# Altium PCB cover3.PcbDoc
Units mil, origin at the board's own origin, x right, y up, seen from the top; angles counter-clockwise.
Board outline 7500 x 2300 mil, 2 copper layers (Top Layer, Bottom Layer); 34 components, 23 nets, 169 pads, 36 vias.
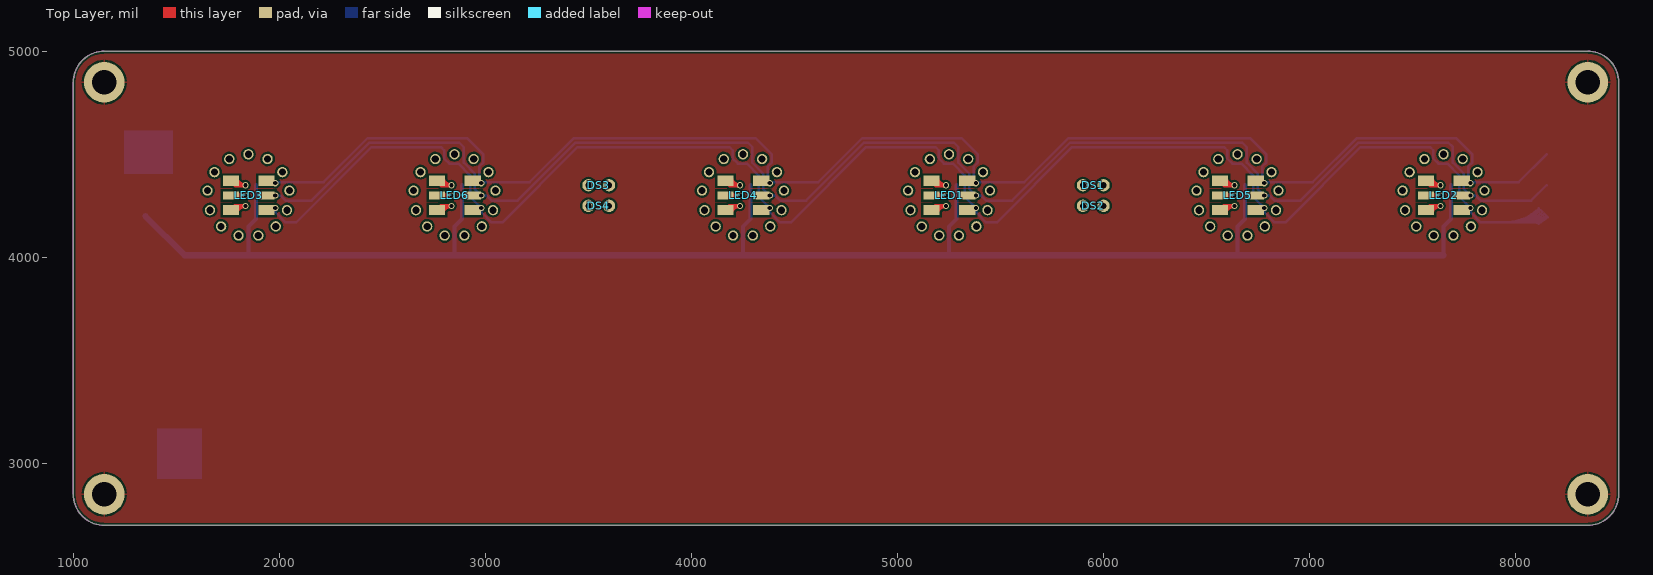
[diagram p0: Top Layer view]
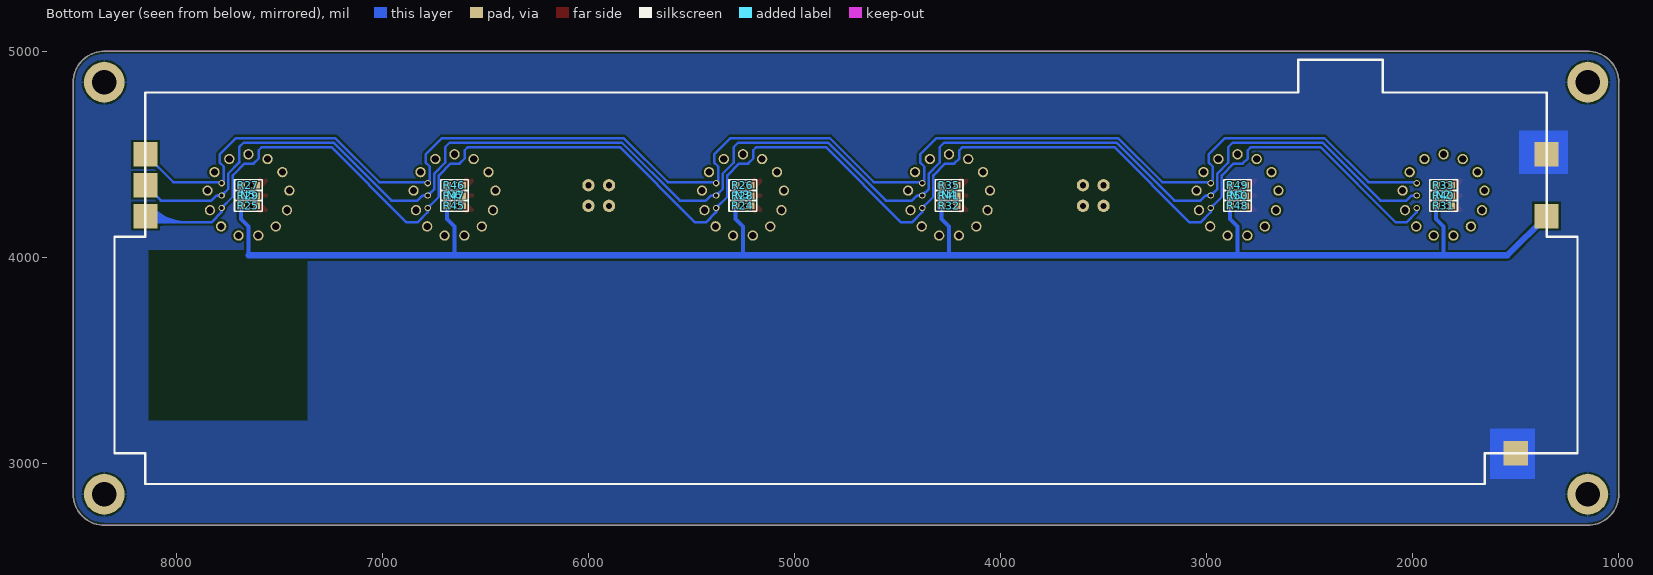
[diagram p1: Bottom Layer view, seen from below]

## Layer stack, top to bottom
Top Solder: solder mask 0.4, Solder Resist, Dk 3.5
Top Layer: signal copper 1.4
Dielectric 1: dielectric 12.6, FR-4, Dk 4.8
Bottom Layer: signal copper 1.4
Bottom Solder: solder mask 0.4, Solder Resist, Dk 3.5

## Board outline
1150,2700 cw(c1150,2850) 1000,2850 1000,4850 cw(c1150,4850) 1150,5000 8350,5000 cw(c8350,4850) 8500,4850 8500,2850 cw(c8350,2850) 8350,2700

## Design rules (kind name [scope] priority, off if disabled: settings)
Clearance [All] p1: gap=10
PolygonConnect [All] p1: connectstyle=Relief reliefconductorwidth=10 reliefentries=4 polygonreliefangle="90 Angle" airgapwidth=10
RoutingVias [All] p1: holewidth=28 width=50 viastyle="Through Hole" minholewidth=28 minwidth=50 maxholewidth=28 maxwidth=50
SolderMaskExpansion [All] p1: expansion=4
Width [All] p1: maxlimit=10 minlimit=10 preferedwidth=10
29 further rules are at their usual default settings.

## Components (designator, comment, footprint, x,y, rotation, side; value= is the part's Value field where it differs from the comment)
DS1 "Lamp Neon" LED_PIN2 5900,4350 r0 top
DS2 "Lamp Neon" LED_PIN2 5900,4250 r0 top
DS3 "Lamp Neon" LED_PIN2 3600,4350 r180 top
DS4 "Lamp Neon" LED_PIN2 3600,4250 r180 top
LED1 "LED_RGB_5050" LED_RGB_5050 5165,4230 r90 top
LED2 "LED_RGB_5050" LED_RGB_5050 7565,4230 r90 top
LED3 "LED_RGB_5050" LED_RGB_5050 1765,4230 r90 top
LED4 "LED_RGB_5050" LED_RGB_5050 4165,4230 r90 top
LED5 "LED_RGB_5050" LED_RGB_5050 6565,4230 r90 top
LED6 "LED_RGB_5050" LED_RGB_5050 2765,4230 r90 top
N1 "ИН-14" IN14 2850,4300 r0 bottom
N2 "ИН-14" IN14 1850,4300 r0 bottom
N3 "ИН-14" IN14 5250,4300 r0 bottom
N4 "ИН-14" IN14 4250,4300 r0 bottom
N5 "ИН-14" IN14 7650,4300 r0 bottom
N6 "ИН-14" IN14 6650,4300 r0 bottom
R24 "Res2" "R 0603" 5250,4250 r0 bottom
R25 "Res2" "R 0603" 7650,4250 r0 bottom
R26 "Res2" "R 0603" 5250,4350 r0 bottom
R27 "Res2" "R 0603" 7650,4350 r0 bottom
R28 "Res2" "R 0603" 5250,4300 r0 bottom
R29 "Res2" "R 0603" 7650,4300 r0 bottom
R31 "Res2" "R 0603" 1850,4250 r0 bottom
R32 "Res2" "R 0603" 4250,4250 r0 bottom
R33 "Res2" "R 0603" 1850,4350 r0 bottom
R35 "Res2" "R 0603" 4250,4350 r0 bottom
R40 "Res2" "R 0603" 1850,4300 r0 bottom
R41 "Res2" "R 0603" 4250,4300 r0 bottom
R45 "Res2" "R 0603" 6650,4250 r0 bottom
R46 "Res2" "R 0603" 6650,4350 r0 bottom
R47 "Res2" "R 0603" 6650,4300 r0 bottom
R48 "Res2" "R 0603" 2850,4250 r0 bottom
R49 "Res2" "R 0603" 2850,4350 r0 bottom
R50 "Res2" "R 0603" 2850,4300 r0 bottom

## Footprints (in the part's own frame and the unit in brackets; to place one, negate y for a bottom-side part, rotate by r counter-clockwise, add the part's x,y. Pads: shape width x height; smd on the part's side, far side on the other; paste and mask are expansions set on the pad)
IN14 [mil]
  round 50 hole 35: 1(0,-200) 2(-93.03,-177.05) 3(-164.65,-113.54) 4(-198.55,-24.03) 5(-186.98,70.99) 6(-132.58,149.74) 7(-47.81,194.2) 8(47.91,194.18) 9(132.65,149.68) 10(187.01,70.89) 11(198.54,-24.13) 12(164.59,-113.63) 13(92.94,-177.09)
LED_PIN2 [mil] "Photosensitive Diode; 2 Leads"
  round 60 hole 30: 1(0,0) 2(100,0)
LED_RGB_5050 [mm]
  rect 1.27x2 smd: 0(0,0) 1(3.6,0) 3(0,-4.4) 4(3.6,-4.4)
  rect 1x2 smd: 2(1.778,0) 5(1.778,-4.4)
"R 0603" [mil] "1/10W贴片电阻"
  rect 40x31.5 smd: 1(-36.5,0) 2(36.5,0)
  silkscreen extent -68,-26 68,26, body extent -31,-16 31,16, height 16

## Part data
DS1 DS2 DS3 DS4: "Neon Lamp"
R24 R25 R26 R27 R28 R29 R31 R32 R33 R35 R40 R41 R45 R46 R47 R48 R49 R50: "Resistor"

## Free pads (board coordinates)
  round 196.85 hole 118.11: 0(1150,2850) 0(1150,4850) 0(8350,2850) 0(8350,4850)
  rect 118.11x118.11 smd far side: 0(8150,4500) 1(8150,4350) 2(8150,4200) 3(1350,4500) 4(1350,4200) 5(1500,3050)
  rect 118.11x118.11 on Bottom Solder: 5(1500,3050)

## Via types
v1: diameter 30, hole 20, Top Layer to Bottom Layer, 36 vias

## Nets (pads, with @x,y where several pads share a name; then routed paths per layer and width w, separated by ;. In a path a pad name is that pad's centre, name@x,y a point inside that pad or via, vN(x,y) a via of type N, cw(c..) or ccw(c..) an arc to the next point about the centre after c; other vN are vias at no path point)
5V: pad.4 R24.2 R25.2 R26.2 R27.2 R28.2 R29.2 R31.2 R32.2 R33.2 R35.2 R40.2 R41.2 R45.2 R46.2 R47.2 R48.2 R49.2 R50.2 | length 8509.4
  Bottom Layer w20: 1850,4010 1850,4150 1886.5,4186.5 R31.2 R40.2 R33.2 ; 2850,4010 2850,4150 2886.5,4186.5 R48.2 R50.2 R49.2 ; 4250,4010 4250,4150 4286.5,4186.5 R32.2 R41.2 R35.2 ; 5250,4010 5250,4150 5286.5,4186.5 R24.2 R28.2 R26.2 ; 6650,4010 6650,4150 6686.5,4186.5 R45.2 R47.2 R46.2 ; 7650,4010 7650,4150 7686.5,4186.5 R25.2 R29.2 R27.2
  Bottom Layer w30: pad.4 1540,4010 7650,4010
GND: pad.0@1150,2850 pad.0@1150,4850 pad.0@8350,2850 pad.0@8350,4850 pad.3 pad.5@1500,3050
LED_B: LED1.3 LED2.3 LED3.3 LED4.3 LED5.3 LED6.3 pad.2 | length 10835.3
  Bottom Layer w12: v1(1980,4240) 1980,4220 ; v1@2971,4240.07 ccw(c2949.85,4240.24) 2964.63,4255.37 ; v1@2971,4240.1 ccw(c2950.14,4240.35) 2965.06,4254.93 ccw(c2979.65,4269.86) v1@2979.9,4249 ; v1@2979.93,4249 cw(c2979.76,4270.15) 2964.63,4255.37 ; v1@4371,4240.07 ccw(c4349.85,4240.24) 4364.63,4255.37 ; v1@4371,4240.1 ccw(c4350.14,4240.35) 4365.06,4254.93 ccw(c4379.65,4269.86) v1@4379.9,4249 ; v1@4379.93,4249 cw(c4379.76,4270.15) 4364.63,4255.37 ; v1@5371,4240.07 ccw(c5349.85,4240.24) 5364.63,4255.37 ; v1@5371,4240.1 ccw(c5350.14,4240.35) 5365.06,4254.93 ccw(c5379.65,4269.86) v1@5379.9,4249 ; v1@5379.93,4249 cw(c5379.76,4270.15) 5364.63,4255.37 ; v1@6771,4240.07 ccw(c6749.85,4240.24) 6764.63,4255.37 ; v1@6771,4240.1 ccw(c6750.14,4240.35) 6765.06,4254.93 ccw(c6779.65,4269.86) v1@6779.9,4249 ; v1@6779.93,4249 cw(c6779.76,4270.15) 6764.63,4255.37 ; v1@7771,4240.07 ccw(c7749.85,4240.24) 7764.63,4255.37 ; v1@7771,4240.1 ccw(c7750.14,4240.35) 7765.06,4254.93 ccw(c7779.65,4269.86) v1@7779.9,4249 ; v1@7779.93,4249 cw(c7779.76,4270.15) 7764.63,4255.37 ; 8081.81,4179.65 ccw(c8066.43,4206.28) pad.2@8097.09,4203.98 ; 8083.99,4193.36 ccw(c8067.63,4220.72) pad.2@8098.55,4212.94 ; pad.2 8120,4170 7830,4170 7780,4220 ; 1980,4220 ccw(c1962.28,4220) 1974.03,4233.26 cw(c1962.28,4220) 1980,4220 ; 1980,4220 cw(c1997.72,4220) 1985.97,4233.26 ccw(c1997.72,4220) 1980,4220 ; 1980,4220 2030,4170 2082.23,4170 2447.23,4535 2785,4535 2800,4520 2800,4480 2825,4455 2868.89,4455 2926,4397.89 2926,4294 v1(2980,4240) 2980,4220 ; 2964.64,4255.36 ccw(c2980,4270.73) 2980,4249 cw(c2980,4270.73) 2964.64,4255.36 ; 2964.64,4255.36 cw(c2949.27,4240) 2971,4240 ccw(c2949.27,4240) 2964.64,4255.36 ; 2980,4220 ccw(c2962.28,4220) 2974.03,4233.26 cw(c2962.28,4220) 2980,4220 ; 2980,4220 cw(c2997.72,4220) 2985.97,4233.26 ccw(c2997.72,4220) 2980,4220 ; 2980,4220 3030,4170 3082.23,4170 3447.23,4535 4185,4535 4200,4520 4200,4480 4225,4455 4268.89,4455 4326,4397.89 4326,4294 v1(4380,4240) 4380,4220 ; 4364.64,4255.36 ccw(c4380,4270.73) 4380,4249 cw(c4380,4270.73) 4364.64,4255.36 ; 4364.64,4255.36 cw(c4349.27,4240) 4371,4240 ccw(c4349.27,4240) 4364.64,4255.36 ; 4380,4220 ccw(c4362.28,4220) 4374.03,4233.26 cw(c4362.28,4220) 4380,4220 ; 4380,4220 cw(c4397.72,4220) 4385.97,4233.26 ccw(c4397.72,4220) 4380,4220 ; 4380,4220 4430,4170 4482.23,4170 4847.23,4535 5185,4535 5200,4520 5200,4480 5225,4455 5268.89,4455 5326,4397.89 5326,4294 v1(5380,4240) 5380,4220 ; 5364.64,4255.36 ccw(c5380,4270.73) 5380,4249 cw(c5380,4270.73) 5364.64,4255.36 ; 5364.64,4255.36 cw(c5349.27,4240) 5371,4240 ccw(c5349.27,4240) 5364.64,4255.36 ; 5380,4220 ccw(c5362.28,4220) 5374.03,4233.26 cw(c5362.28,4220) 5380,4220 ; 5380,4220 cw(c5397.72,4220) 5385.97,4233.26 ccw(c5397.72,4220) 5380,4220 ; 5380,4220 5430,4170 5482.23,4170 5847.23,4535 6585,4535 6600,4520 6600,4480 6625,4455 6668.89,4455 6726,4397.89 6726,4294 v1(6780,4240) 6780,4220 ; 6764.64,4255.36 ccw(c6780,4270.73) 6780,4249 cw(c6780,4270.73) 6764.64,4255.36 ; 6764.64,4255.36 cw(c6749.27,4240) 6771,4240 ccw(c6749.27,4240) 6764.64,4255.36 ; 6780,4220 ccw(c6762.28,4220) 6774.03,4233.26 cw(c6762.28,4220) 6780,4220 ; 6780,4220 cw(c6797.72,4220) 6785.97,4233.26 ccw(c6797.72,4220) 6780,4220 ; 6780,4220 6830,4170 6882.23,4170 7247.23,4535 7585,4535 7600,4520 7600,4480 7625,4455 7668.89,4455 7726,4397.89 7726,4294 v1(7780,4240) 7780,4220 ; 7764.64,4255.36 ccw(c7780,4270.73) 7780,4249 cw(c7780,4270.73) 7764.64,4255.36 ; 7764.64,4255.36 cw(c7749.27,4240) 7771,4240 ccw(c7749.27,4240) 7764.64,4255.36 ; 7780,4220 ccw(c7762.28,4220) 7774.03,4233.26 cw(c7762.28,4220) 7780,4220 ; 7780,4220 cw(c7797.72,4220) 7785.97,4233.26 ccw(c7797.72,4220) 7780,4220 ; pad.2@8094.34,4170 ccw(c8094.34,4255.66) 8154.91,4195.09 cw(c8094.34,4255.66) pad.2@8094.34,4170 ; pad.2@8094.34,4170 cw(c8094.34,4144.34) 8112.48,4162.48 ccw(c8094.34,4144.34) pad.2@8094.34,4170 ; 7949.49,4170 ccw(c7949.49,4400.51) 8112.48,4237.52 cw(c7949.49,4400.51) 7949.49,4170 ; 7978.46,4170 ccw(c7978.46,4371.54) 8120.97,4229.03 cw(c7978.46,4371.54) 7978.46,4170 ; 8007.43,4170 ccw(c8007.43,4342.57) 8129.45,4220.55 cw(c8007.43,4342.57) 8007.43,4170 ; 8036.4,4170 ccw(c8036.4,4313.6) 8137.94,4212.06 cw(c8036.4,4313.6) 8036.4,4170 ; 8065.37,4170 ccw(c8065.37,4284.63) 8146.43,4203.57 cw(c8065.37,4284.63) 8065.37,4170
LED_G: LED1.4 LED2.4 LED3.4 LED4.4 LED5.4 LED6.4 pad.0@8150,4500 | length 7635.5
  Bottom Layer w12: v1@1985.13,4365.13 2215.13,4365.13 2429,4579 2911,4579 2990,4500 2990,4460 2970,4440 2970,4370 v1(2980,4360) 2985.13,4365.13 3215.13,4365.13 3429,4579 4311,4579 4390,4500 4390,4460 4370,4440 4370,4370 v1(4380,4360) ; v1@4385.13,4365.13 4615.13,4365.13 4829,4579 5311,4579 5390,4500 5390,4460 5370,4440 5370,4370 v1(5380,4360) 5385.13,4365.13 5615.13,4365.13 5829,4579 6711,4579 6790,4500 6790,4460 6770,4440 6770,4370 v1(6780,4360) ; v1@6785.13,4365.13 7015.13,4365.13 7229,4579 7711,4579 7790,4500 7790,4460 7770,4440 7770,4370 v1(7780,4360) 7785.13,4365.13 8015.13,4365.13 pad.0@8150,4500
  other v1: 1980,4360
LED_R: LED1.5 LED2.5 LED3.5 LED4.5 LED5.5 LED6.5 pad.1 | length 8903.8
  Bottom Layer w12: v1(1980,4300) 2005,4300 2030,4275 2156.11,4275 2438.11,4557 2873,4557 2895,4535 2895,4460 2948,4407 2948,4332 v1(2980,4300) 3005,4300 3030,4275 3156.11,4275 3438.11,4557 4273,4557 4295,4535 4295,4460 4348,4407 4348,4332 v1(4380,4300) 4405,4300 4430,4275 4556.11,4275 4838.11,4557 5273,4557 5295,4535 5295,4460 5348,4407 5348,4332 v1(5380,4300) 5405,4300 5430,4275 5556.11,4275 5838.11,4557 6673,4557 6695,4535 6695,4460 6748,4407 6748,4332 v1(6780,4300) 6805,4300 6830,4275 6956.11,4275 7238.11,4557 7673,4557 7695,4535 7695,4460 7748,4407 7748,4332 v1(7780,4300) 7805,4300 7830,4275 8075,4275 pad.1 ; v1@2971,4300.07 ccw(c2949.85,4300.24) 2964.63,4315.37 ; v1@2971,4300.1 ccw(c2950.14,4300.35) 2965.06,4314.93 ccw(c2979.65,4329.86) v1@2979.9,4309 ; v1@2979.93,4309 cw(c2979.76,4330.15) 2964.63,4315.37 ; v1@4371,4300.07 ccw(c4349.85,4300.24) 4364.63,4315.37 ; v1@4371,4300.1 ccw(c4350.14,4300.35) 4365.06,4314.93 ccw(c4379.65,4329.86) v1@4379.9,4309 ; v1@4379.93,4309 cw(c4379.76,4330.15) 4364.63,4315.37 ; v1@5371,4300.07 ccw(c5349.85,4300.24) 5364.63,4315.37 ; v1@5371,4300.1 ccw(c5350.14,4300.35) 5365.06,4314.93 ccw(c5379.65,4329.86) v1@5379.9,4309 ; v1@5379.93,4309 cw(c5379.76,4330.15) 5364.63,4315.37 ; v1@6771,4300.07 ccw(c6749.85,4300.24) 6764.63,4315.37 ; v1@6771,4300.1 ccw(c6750.14,4300.35) 6765.06,4314.93 ccw(c6779.65,4329.86) v1@6779.9,4309 ; v1@6779.93,4309 cw(c6779.76,4330.15) 6764.63,4315.37 ; v1@7771,4300.07 ccw(c7749.85,4300.24) 7764.63,4315.37 ; v1@7771,4300.1 ccw(c7750.14,4300.35) 7765.06,4314.93 ccw(c7779.65,4329.86) v1@7779.9,4309 ; v1@7779.93,4309 cw(c7779.76,4330.15) 7764.63,4315.37 ; 2001.73,4300 ccw(c2001.73,4278.27) 1986.36,4293.64 cw(c2001.73,4278.27) 2001.73,4300 ; 2001.73,4300 cw(c2001.73,4321.73) 1986.36,4306.36 ccw(c2001.73,4321.73) 2001.73,4300 ; 2964.64,4315.36 ccw(c2980,4330.73) 2980,4309 cw(c2980,4330.73) 2964.64,4315.36 ; 2964.64,4315.36 cw(c2949.27,4300) 2971,4300 ccw(c2949.27,4300) 2964.64,4315.36 ; 3001.73,4300 ccw(c3001.73,4278.27) 2986.36,4293.64 cw(c3001.73,4278.27) 3001.73,4300 ; 3001.73,4300 cw(c3001.73,4321.73) 2986.36,4306.36 ccw(c3001.73,4321.73) 3001.73,4300 ; 4364.64,4315.36 ccw(c4380,4330.73) 4380,4309 cw(c4380,4330.73) 4364.64,4315.36 ; 4364.64,4315.36 cw(c4349.27,4300) 4371,4300 ccw(c4349.27,4300) 4364.64,4315.36 ; 4401.73,4300 ccw(c4401.73,4278.27) 4386.36,4293.64 cw(c4401.73,4278.27) 4401.73,4300 ; 4401.73,4300 cw(c4401.73,4321.73) 4386.36,4306.36 ccw(c4401.73,4321.73) 4401.73,4300 ; 5364.64,4315.36 ccw(c5380,4330.73) 5380,4309 cw(c5380,4330.73) 5364.64,4315.36 ; 5364.64,4315.36 cw(c5349.27,4300) 5371,4300 ccw(c5349.27,4300) 5364.64,4315.36 ; 5401.73,4300 ccw(c5401.73,4278.27) 5386.36,4293.64 cw(c5401.73,4278.27) 5401.73,4300 ; 5401.73,4300 cw(c5401.73,4321.73) 5386.36,4306.36 ccw(c5401.73,4321.73) 5401.73,4300 ; 6764.64,4315.36 ccw(c6780,4330.73) 6780,4309 cw(c6780,4330.73) 6764.64,4315.36 ; 6764.64,4315.36 cw(c6749.27,4300) 6771,4300 ccw(c6749.27,4300) 6764.64,4315.36 ; 6801.73,4300 ccw(c6801.73,4278.27) 6786.36,4293.64 cw(c6801.73,4278.27) 6801.73,4300 ; 6801.73,4300 cw(c6801.73,4321.73) 6786.36,4306.36 ccw(c6801.73,4321.73) 6801.73,4300 ; 7764.64,4315.36 ccw(c7780,4330.73) 7780,4309 cw(c7780,4330.73) 7764.64,4315.36 ; 7764.64,4315.36 cw(c7749.27,4300) 7771,4300 ccw(c7749.27,4300) 7764.64,4315.36 ; 7801.73,4300 ccw(c7801.73,4278.27) 7786.36,4293.64 cw(c7801.73,4278.27) 7801.73,4300 ; 7801.73,4300 cw(c7801.73,4321.73) 7786.36,4306.36 ccw(c7801.73,4321.73) 7801.73,4300
NetLED1_0: LED1.0 R24.1 | length 277.5
  Top Layer w20: LED1.0 5185,4250 v1(5235,4250) ; LED1.0@5188.84,4241.64 ccw(c5198.49,4253.49) 5210.09,4243.54 ; v1(5235,4250) ccw(c5235,4203.29) 5192.89,4223.51 cw(c5235,4203.29) v1(5235,4250) ; LED1.0@5174.86,4232.16 cw(c5203.21,4218.55) 5203.21,4250 ccw(c5203.21,4218.55) LED1.0@5174.86,4232.16
NetLED1_1: LED1.1 R26.1 | length 285.5
  Top Layer w20: LED1.1 5186.73,4350 v1(5235,4350) ; LED1.1@5188.04,4359.49 cw(c5197.3,4346.43) 5209.89,4356.31 ; v1(5235,4350) cw(c5235,4395.49) 5193.16,4377.62 ccw(c5235,4395.49) v1(5235,4350) ; LED1.1@5174.77,4369.77 ccw(c5204.71,4382.55) 5204.71,4350 cw(c5204.71,4382.55) LED1.1@5174.77,4369.77
NetLED1_2: LED1.2 R28.1 | length 143.5
  Top Layer w20: LED1.2 v1(5235,4300) ; 5208.07,4300 ccw(c5208.07,4276.62) 5191.53,4293.15 cw(c5208.07,4276.62) 5208.07,4300 ; 5208.07,4300 cw(c5208.07,4323.38) 5191.53,4306.85 ccw(c5208.07,4323.38) 5208.07,4300
NetLED2_0: LED2.0 R25.1 | length 277.5
  Top Layer w20: LED2.0 7585,4250 v1(7635,4250) ; LED2.0@7588.84,4241.64 ccw(c7598.49,4253.49) 7610.09,4243.54 ; v1(7635,4250) ccw(c7635,4203.29) 7592.89,4223.51 cw(c7635,4203.29) v1(7635,4250) ; LED2.0@7574.86,4232.16 cw(c7603.21,4218.55) 7603.21,4250 ccw(c7603.21,4218.55) LED2.0@7574.86,4232.16
NetLED2_1: LED2.1 R27.1 | length 285.5
  Top Layer w20: LED2.1 7586.73,4350 v1(7635,4350) ; LED2.1@7588.04,4359.49 cw(c7597.3,4346.43) 7609.89,4356.31 ; v1(7635,4350) cw(c7635,4395.49) 7593.16,4377.62 ccw(c7635,4395.49) v1(7635,4350) ; LED2.1@7574.77,4369.77 ccw(c7604.71,4382.55) 7604.71,4350 cw(c7604.71,4382.55) LED2.1@7574.77,4369.77
NetLED2_2: LED2.2 R29.1 | length 143.5
  Top Layer w20: LED2.2 v1(7635,4300) ; 7608.07,4300 ccw(c7608.07,4276.62) 7591.53,4293.15 cw(c7608.07,4276.62) 7608.07,4300 ; 7608.07,4300 cw(c7608.07,4323.38) 7591.53,4306.85 ccw(c7608.07,4323.38) 7608.07,4300
NetLED3_0: LED3.0 R31.1 | length 277.5
  Top Layer w20: LED3.0 1785,4250 v1(1835,4250) ; LED3.0@1788.84,4241.64 ccw(c1798.49,4253.49) 1810.09,4243.54 ; v1(1835,4250) ccw(c1835,4203.29) 1792.89,4223.51 cw(c1835,4203.29) v1(1835,4250) ; LED3.0@1774.86,4232.16 cw(c1803.21,4218.55) 1803.21,4250 ccw(c1803.21,4218.55) LED3.0@1774.86,4232.16
NetLED3_1: LED3.1 R33.1 | length 285.5
  Top Layer w20: LED3.1 1786.73,4350 v1(1835,4350) ; LED3.1@1788.04,4359.49 cw(c1797.3,4346.43) 1809.89,4356.31 ; v1(1835,4350) cw(c1835,4395.49) 1793.16,4377.62 ccw(c1835,4395.49) v1(1835,4350) ; LED3.1@1774.77,4369.77 ccw(c1804.71,4382.55) 1804.71,4350 cw(c1804.71,4382.55) LED3.1@1774.77,4369.77
NetLED3_2: LED3.2 R40.1 | length 143.5
  Top Layer w20: LED3.2 v1(1835,4300) ; 1808.07,4300 ccw(c1808.07,4276.62) 1791.53,4293.15 cw(c1808.07,4276.62) 1808.07,4300 ; 1808.07,4300 cw(c1808.07,4323.38) 1791.53,4306.85 ccw(c1808.07,4323.38) 1808.07,4300
NetLED4_0: LED4.0 R32.1 | length 277.5
  Top Layer w20: LED4.0 4185,4250 v1(4235,4250) ; LED4.0@4188.84,4241.64 ccw(c4198.49,4253.49) 4210.09,4243.54 ; v1(4235,4250) ccw(c4235,4203.29) 4192.89,4223.51 cw(c4235,4203.29) v1(4235,4250) ; LED4.0@4174.86,4232.16 cw(c4203.21,4218.55) 4203.21,4250 ccw(c4203.21,4218.55) LED4.0@4174.86,4232.16
NetLED4_1: LED4.1 R35.1 | length 285.5
  Top Layer w20: LED4.1 4186.73,4350 v1(4235,4350) ; LED4.1@4188.04,4359.49 cw(c4197.3,4346.43) 4209.89,4356.31 ; v1(4235,4350) cw(c4235,4395.49) 4193.16,4377.62 ccw(c4235,4395.49) v1(4235,4350) ; LED4.1@4174.77,4369.77 ccw(c4204.71,4382.55) 4204.71,4350 cw(c4204.71,4382.55) LED4.1@4174.77,4369.77
NetLED4_2: LED4.2 R41.1 | length 143.5
  Top Layer w20: LED4.2 v1(4235,4300) ; 4208.07,4300 ccw(c4208.07,4276.62) 4191.53,4293.15 cw(c4208.07,4276.62) 4208.07,4300 ; 4208.07,4300 cw(c4208.07,4323.38) 4191.53,4306.85 ccw(c4208.07,4323.38) 4208.07,4300
NetLED5_0: LED5.0 R45.1 | length 277.5
  Top Layer w20: LED5.0 6585,4250 v1(6635,4250) ; LED5.0@6588.84,4241.64 ccw(c6598.49,4253.49) 6610.09,4243.54 ; v1(6635,4250) ccw(c6635,4203.29) 6592.89,4223.51 cw(c6635,4203.29) v1(6635,4250) ; LED5.0@6574.86,4232.16 cw(c6603.21,4218.55) 6603.21,4250 ccw(c6603.21,4218.55) LED5.0@6574.86,4232.16
NetLED5_1: LED5.1 R46.1 | length 285.5
  Top Layer w20: LED5.1 6586.73,4350 v1(6635,4350) ; LED5.1@6588.04,4359.49 cw(c6597.3,4346.43) 6609.89,4356.31 ; v1(6635,4350) cw(c6635,4395.49) 6593.16,4377.62 ccw(c6635,4395.49) v1(6635,4350) ; LED5.1@6574.77,4369.77 ccw(c6604.71,4382.55) 6604.71,4350 cw(c6604.71,4382.55) LED5.1@6574.77,4369.77
NetLED5_2: LED5.2 R47.1 | length 143.5
  Top Layer w20: LED5.2 v1(6635,4300) ; 6608.07,4300 ccw(c6608.07,4276.62) 6591.53,4293.15 cw(c6608.07,4276.62) 6608.07,4300 ; 6608.07,4300 cw(c6608.07,4323.38) 6591.53,4306.85 ccw(c6608.07,4323.38) 6608.07,4300
NetLED6_0: LED6.0 R48.1 | length 277.5
  Top Layer w20: LED6.0 2785,4250 v1(2835,4250) ; LED6.0@2788.84,4241.64 ccw(c2798.49,4253.49) 2810.09,4243.54 ; v1(2835,4250) ccw(c2835,4203.29) 2792.89,4223.51 cw(c2835,4203.29) v1(2835,4250) ; LED6.0@2774.86,4232.16 cw(c2803.21,4218.55) 2803.21,4250 ccw(c2803.21,4218.55) LED6.0@2774.86,4232.16
NetLED6_1: LED6.1 R49.1 | length 285.5
  Top Layer w20: LED6.1 2786.73,4350 v1(2835,4350) ; LED6.1@2788.04,4359.49 cw(c2797.3,4346.43) 2809.89,4356.31 ; v1(2835,4350) cw(c2835,4395.49) 2793.16,4377.62 ccw(c2835,4395.49) v1(2835,4350) ; LED6.1@2774.77,4369.77 ccw(c2804.71,4382.55) 2804.71,4350 cw(c2804.71,4382.55) LED6.1@2774.77,4369.77
NetLED6_2: LED6.2 R50.1 | length 143.5
  Top Layer w20: LED6.2 v1(2835,4300) ; 2808.07,4300 ccw(c2808.07,4276.62) 2791.53,4293.15 cw(c2808.07,4276.62) 2808.07,4300 ; 2808.07,4300 cw(c2808.07,4323.38) 2791.53,4306.85 ccw(c2808.07,4323.38) 2808.07,4300
pads on no net: DS1.1 DS1.2 DS2.1 DS2.2 DS3.1 DS3.2 DS4.1 DS4.2 N1.1 N1.2 N1.3 N1.4 N1.5 N1.6 N1.7 N1.8 N1.9 N1.10 N1.11 N1.12 N1.13 N2.1 N2.2 N2.3 N2.4 N2.5 N2.6 N2.7 N2.8 N2.9 N2.10 N2.11 N2.12 N2.13 N3.1 N3.2 N3.3 N3.4 N3.5 N3.6 N3.7 N3.8 N3.9 N3.10 N3.11 N3.12 N3.13 N4.1 N4.2 N4.3 N4.4 N4.5 N4.6 N4.7 N4.8 N4.9 N4.10 N4.11 N4.12 N4.13 N5.1 N5.2 N5.3 N5.4 N5.5 N5.6 N5.7 N5.8 N5.9 N5.10 N5.11 N5.12 N5.13 N6.1 N6.2 N6.3 N6.4 N6.5 N6.6 N6.7 N6.8 N6.9 N6.10 N6.11 N6.12 N6.13

## Polygon pours and split planes (outlines as drawn)
GND on Bottom Layer "Top Layer-No Net" (solid, remove dead copper, pour order 2): 875,5115 795,5035 795,2490 8620,2490 8860,2730 8795,2795 8795,5120
GND on Top Layer "Top Layer-No Net" (solid, remove dead copper, pour order 4): 805,5460 805,2430 910,2325 1150,2565 8895,2565 8895,4915 8580,5230

## Keep-outs
Keep-Out Layer:
  lines w5: 1000,2850 ccw(c1150,2850) 1150,2700 2550,2700 8350,2700 ccw(c8350,2850) 8500,2850 8500,4850 ccw(c8350,4850) 8350,5000 1150,5000 ccw(c1150,4850) 1000,4850 1000,2850

## Other copper
Bottom Layer:
  rectangle net GND: 1245,4405 1485,4615
  rectangle net GND: 1405,2925 1625,3170
  pour cut-out: 8135,4035 8135,3210 7365,3210 7365,4035

## Silkscreen, mask and mechanical layers (free items; w line width, h text height)
Bottom Overlay:
  lines w11.81: 8150,4250 8150,4650 ; 8150,4650 8150,4800 2555,4800 2555,4960 2145,4960 2145,4800 1350,4800 1350,4100 1200,4100 1200,3050 1650,3050 1650,2900 8150,2900 8150,3050 8300,3050 8300,4100 8150,4100 8150,4650
Top Solder:
  drawing of 97974 lines, arcs and shapes, not listed
  text "Nixie Tube" at 4490,3825 h150
  text "Getter" at 1590,3810 h60
  text "Neon" at 1655,3720 h60
  text "A Nixie tube, or cold cathode display, is an electronic device for displaying numerals or other information using glow discharge. The glass" at 2490,3700 h100
  text "Cathode Segments" at 1885,3600 h60
  text "tube contains a wire-mesh anode and multiple cathodes, shaped like numerals or other symbols. Applying power to one cathode surrounds it with" at 2390,3600 h100
  text "an orange glow discharge. Tube is filled with a gas at low pressure, usually mostly neon and often a little mercury or argon, in a Penning mixture." at 2390,3500 h100
  text "Although it resembles a vacuum tube in appearance, its operation does not depend on thermionic emission of electrons from a heated cathode." at 2490,3400 h100
  text "It is therefore called a cold-cathode tube (a form of gas-filled tube), or a variant of neon lamp. Such tubes rarely exceed 40℃ even under the most" at 2390,3300 h100
  text "severe of operating conditions in a room at ambient temperature. Vacuum fluorescent displays from the same era use completely different technology" at 2390,3200 h100
  text "Glass" at 1680,3190 h60
  text "Pins" at 1645,3110 h60
  text "—they have a heated cathode together with a control grid and shaped phosphor anodes; Nixies have no heater or control grid, typically a single" at 2390,3100 h100
  text "Anode Grid" at 1730,3025 h60
  text "anode, and shaped bare metal cathodes." at 2410,3000 h100